# Altium PCB LTEWatch.PcbDoc (part 2 of 3)
Units mm, origin at the board's own origin, x right, y up, seen from the top; angles counter-clockwise.
Board outline 155 x 70 mm, 4 copper layers (Top Layer, Ground, Power, Bottom Layer), stack 1.854 mm thick; 335 components, 196 nets, 1001 pads, 1178 vias.
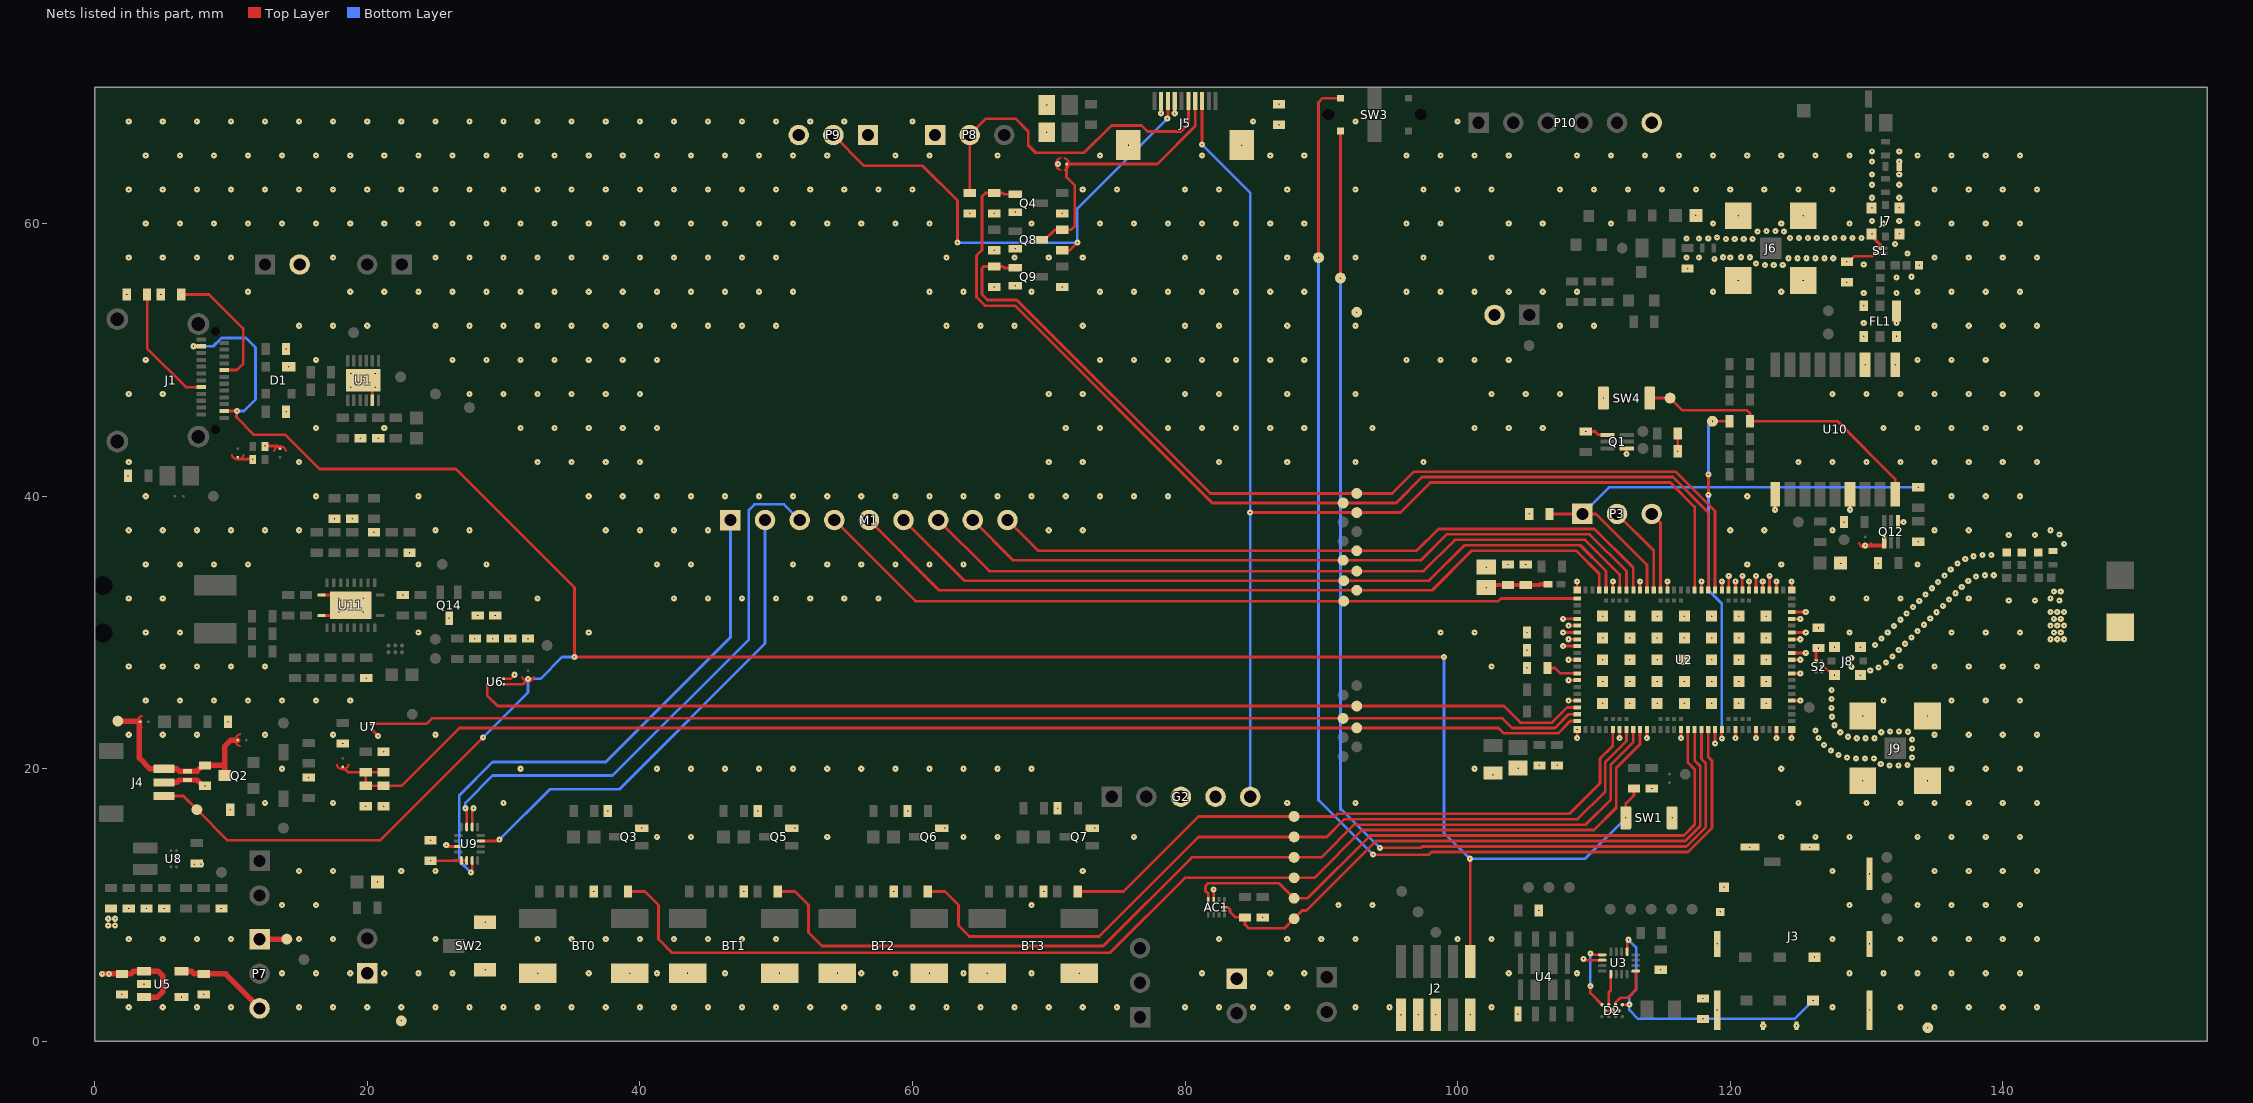
[diagram p4: the nets of this part, all layers, seen from the top]

## Part data
A1: library part Ant_nRF_9160DK, "ANTENNA PRESTTA OCTABAND LTE", Manufacturer_Name=Ethertronics, Part number IPS=00000009001, Supplier Part Number 1=939-1057-1-ND, Artikkelnr Noca=N.A., Component Class=Antennas, ComponentLink1Description=Datasheet, ComponentLink1URL=N.A., ComponentLink2Description="Supplier link", ComponentLink2URL=N.A., Footprint Doc=P822601, HelpURL=http://www.ethertronics.com/wp-content/uploads/2016/11/Prestta-P822601-P822602-Standard-Cellular-Octa-Band-20160904.pdf, LatestRevisionDate=2017-07-28, Manufacturer_Part_Number=P822601, Note=N.A., Pad Count=2, Part Number=P822601, PartId=100700043, Published=2017-07-28, Supplier 1=Digi-Key, Unit Price=3.41
AC1: library part IC_ACCEL, "Accéléromètres X, Y, Z Axis ±2g, 4g, 8g, 12g, 16g 10-LGA (1,6x1,6)", Manufacturer_Name="Memsic Inc.", Supplier Part Number 1=498-MC3635, Datasheet Link=http://www.mcubemems.com/wp-content/uploads/2017/09/MC3635-Datasheet-APS-048-0044v1.5.pdf, Height=0.94mm, Manufacturer_Part_Number=MC3635, Supplier 1=Mouser, Unit Price=2.52
BT0 BT1 BT2 BT3 SW1 SW4: library part SW_SMD_PB, "Tactile Switch, SPNO, SMD, 160gf, 6.2x6.3x2.5mm", Manufacturer_Name="Alps Alpine", Supplier Part Number 1=688-SKHUALE010, Component Class=Switches, ComponentLink1Description=Datasheet, ComponentLink1URL=N.A., ComponentLink2Description="Supplier link", ComponentLink2URL=N.A., Manufacturer_Part_Number=SKHUALE010, Pad Count=4, PartId=101500001, Supplier 1=Mouser, Unit Price=0.76
  BT0 BT1 BT2 BT3: Supplier Part Number 2=688-SKHUALE010
  SW1 SW4: Supplier 2=Farnell, Supplier Part Number 2=1333652
C1 C5 C7 C8 C12 C14 C16 C19 C25 C28 C37 C38 C39 C40 C44 C51 C57: library part C_100n, "0.1 µF ±10% 25V Condensateurs céramique X7R 0603 (1608 métrique)", Manufacturer_Name="Samsung Electro-Mechanics", Manufacturer_Part_Number=CL10B104KA8NNNC, Supplier Part Number 1=1276-1006-1-ND, Supplier 1=Digi-Key, Unit Price=0.10
C2 C3: library part C_47p, "47 pF ±5% 25V Ceramic Capacitor C0G, NP0 0603 (1608 Metric)", Manufacturer_Name=KEMET, Manufacturer_Part_Number=C0603C470J3GAC7867, Supplier Part Number 1=399-C0603C470J3GAC7867CT-ND, Supplier 1=Digi-Key, Unit Price=0.130
C4 C13: library part C_15p, "15 pF ±5% 25V Ceramic Capacitor C0G, NP0 0603 (1608 Metric)", Manufacturer_Name="KYOCERA AVX", Manufacturer_Part_Number=06033A150JAT2A, Supplier Part Number 1=478-10804-1-ND, Supplier 1=Digi-Key
C6 C15: library part C_47u, "47 µF ±20% 10V Ceramic Capacitor X5R 0805 (2012 Metric)", Manufacturer_Name="Murata Electronics", Manufacturer_Part_Number=GRM21BR61A476ME15L, Supplier Part Number 1=490-9961-1-ND, Supplier 1=Digi-Key, Unit Price=0.66
C9 C17 C29 C36 C46 C59 C67: library part C_10n, "10000 pF ±5% 25V Condensateurs céramique C0G, NP0 0603 (1608 métrique)", Manufacturer_Name="TDK Corporation", Manufacturer_Part_Number=C1608C0G1E103J080AA, Supplier Part Number 1=445-2664-1-ND, Supplier 1=Digi-Key, Unit Price=0.270
C10 C11 C24 C66: library part C_4.7u, "4.7 µF ±10% 25V Condensateurs céramique X6S 0603 (1608 métrique)", Manufacturer_Name="Murata Electronics", Manufacturer_Part_Number=GRM188C81E475KE11D, Supplier Part Number 1=490-7199-1-ND, Supplier 1=Digi-Key, Unit Price=0.24
C18 C21 C22 C26 C27 C35 C41 C42 C45: library part C_1u, "1 µF ±10% 25V Ceramic Capacitor X7R 0603 (1608 Metric)", Manufacturer_Name="Samsung Electro-Mechanics", Manufacturer_Part_Number=CL10B105KA8NNNC, Supplier Part Number 1=187-CL10B105KA8NNNC, Price Unit=0.10, Supplier 1=Mouser
C20: library part C_NC, "NC"
C23 C31 C32 C33 C34 C56 C65: library part C_10u, "10 µF ±10% 25V Ceramic Capacitor X5R 0805 (2012 Metric)", Manufacturer_Name="Murata Electronics", Manufacturer_Part_Number=GRM188R61E106KA73J, Supplier Part Number 1=81-GRM188R61E106KA3J, Supplier 1=Mouser, Unit Price=0.280
C30: library part C_10p, "10 pF ±5% 50V Ceramic Capacitor C0G, NP0 0603 (1608 Metric)", Manufacturer_Name="KYOCERA AVX", Manufacturer_Part_Number=06035A100JAT2A, Supplier Part Number 1=478-1163-1-ND, Supplier 1=Digi-Key, Unit Price=0.10
C43: library part C_560p, "560 pF ±5% 25V Ceramic Capacitor C0G, NP0 0603 (1608 Metric)", Manufacturer_Name=YAGEO, Manufacturer_Part_Number=CC0603JRNPO8BN561, Supplier Part Number 1=311-3957-1-ND, Supplier 1=Digi-Key, Unit Price=0.110
C47: library part C_100n_0402, "0.1 µF ±10% 25V Ceramic Capacitor X7R 0402 (1005 Metric)", Manufacturer_Name="Samsung Electro-Mechanics", Manufacturer_Part_Number=CL05B104KA5NNNC, Supplier Part Number 1=1276-6720-1-ND, Supplier 1=Digi-Key, Unit Price=0.10
C48: library part C_47p_0402, "47 pF ±5% 25V Ceramic Capacitor C0G, NP0 0402 (1005 Metric)", Manufacturer_Name=KEMET, Manufacturer_Part_Number=0402N470J250CT, Supplier Part Number 1=1292-1324-1-ND, Supplier 1=Digi-Key, Unit Price=0.130
C49 C52 C53 C54: library part C_NC_0402, "NC"
C50: library part C_0402_3.5p, "3.5 pF ±0,1pF 50V Condensateurs céramique C0G, NP0 0402 (1005 métrique)", Manufacturer_Name="Murata Electronics", Manufacturer_Part_Number=GJM1555C1H3R5BB01D, Supplier Part Number 1=81-GJM1555C1H3R5BB1D, Supplier 1=Mouser, Unit Price=0.180
C55 C69: library part C_470n, "0.47 µF ±10% 25V Ceramic Capacitor X7R 0603 (1608 Metric)", Manufacturer_Name="Murata Electronics", Manufacturer_Part_Number=GRM188R71E474KA12D, Supplier Part Number 1=490-3291-1-ND, Supplier 1=Digi-Key, Unit Price=0.17
C58 C68: library part C_22n, "0.022 µF ±10% 25V Ceramic Capacitor X7R 0603 (1608 Metric)", Manufacturer_Name=KEMET, Manufacturer_Part_Number=C0603C223K3RAC7867, Supplier Part Number 1=399-C0603C223K3RAC7867CT-ND, Supplier 1=Digi-Key, Unit Price=0.100
C60: library part C_39n, "0.039 µF ±10% 50V Ceramic Capacitor X7R 0603 (1608 Metric)", Manufacturer_Name="Walsin Technology Corporation", Manufacturer_Part_Number=0603B393K500CT, Supplier Part Number 1=1292-1436-1-ND, Supplier 1=Digi-Key, Unit Price=0.10
C61: library part C_47n, "0.047 µF ±10% 25V Ceramic Capacitor X7R 0603 (1608 Metric)", Manufacturer_Name="KYOCERA AVX", Manufacturer_Part_Number=06033C473KAT2A, Supplier Part Number 1=478-1235-6-ND, Supplier 1=Digi-Key, Unit Price=0.10
C62: library part C_68n, "0.068 µF ±10% 25V Ceramic Capacitor X7R 0603 (1608 Metric)", Manufacturer_Name="Walsin Technology Corporation", Manufacturer_Part_Number=0603B683K250CT, Supplier Part Number 1=1292-1462-1-ND, Supplier 1=Digi-Key, Unit Price=0.10
C63: library part C_2.2n, "2200 pF ±5% 25V Ceramic Capacitor X7R 0603 (1608 Metric)", Manufacturer_Name="KYOCERA AVX", Manufacturer_Part_Number=06033C222JAT2A, Supplier Part Number 1=478-12683-1-ND, Supplier 1=Digi-Key, Unit Price=0.10
C64: library part C_100p, "100 pF ±5% 25V Ceramic Capacitor C0G, NP0 0603 (1608 Metric)", Manufacturer_Name="KYOCERA AVX", Manufacturer_Part_Number=06033A101JAT2A, Supplier Part Number 1=478-06033A101JAT2ACT-ND, Supplier 1=Digi-Key, Unit Price=0.10
D1: library part D_TVS_USB, "Clamp Ipp Tvs Diode Surface Mount SOT-143B", Manufacturer_Name=Nexperia, Manufacturer_Part_Number=PRTR5V0U2X, Supplier Part Number 1=1727-3884-1-ND, Datasheet Link=https://assets.nexperia.com/documents/data-sheet/PRTR5V0U2X.pdf, Height=1.1mm, Supplier 1=Digi-Key, Unit Price=0.52
D2: "EMI Network Filter Arrays SIM CARD EMI FILTER WITH ESD PROTECTION", Manufacturer="ON Semiconductor", Manufacturer Part Number=CM1402-03CP, Part number IPS=00000009949, Supplier Part Number 1=CM1402-03CPOSTR-ND, Artikkelnr Noca=N.A., Component Class=Semiconductors, ComponentLink1Description=Datasheet, ComponentLink1URL=N.A., ComponentLink2Description="Supplier link", ComponentLink2URL=N.A., Footprint Doc=CM1402, HelpURL=http://www.onsemi.com/pub_link/Collateral/CM1402-D.PDF, LatestRevisionDate=2017-02-06, Note=N.A., Pad Count=10, Part Number=CM1402, PartId=101300139, Published=2017-02-06, Supplier 1=Digi-Key, Supplier 2=Mouser, Supplier Part Number 2=748-CM1402-03CP
D3: library part D_TVS, "9.2V Clamp 5A (8/20µs) Ipp Tvs Diode Surface Mount SOD-882", Manufacturer_Name=LITTELFUSE, Manufacturer_Part_Number=SP1007-01ETG, Supplier Part Number 1=F6187CT-ND, Datasheet Link=https://www.littelfuse.com/~/media/electronics/datasheets/tvs_diode_arrays/littelfuse_tvs_diode_array_sp1007_datasheet.pdf.pdf, Height=0.6mm, Supplier 1=Digi-Key, Unit Price=0.40
E1: library part ANT_GNSS, "Dual port antenna booster for GNSS, Bluetooth, 5G and UWB (1561 - 1606MHz, 2400 - 2500MHz, 3400 - 3800MHz, 3100 - 4800MHz and 6000 - 10600 MHz).", Manufacturer_Name=Ignion, Package=None, Supplier Part Number 1=2115-NN03-320CT-ND, Availability="In Stock", Check_prices=https://www.snapeda.com/parts/NN03-320/Fractus%20Antennas%20S.L./view-part/4257250/?ref=eda, Manufacturer_Part_Number=NN03-320, MP=NN03-320, Purchase-URL=https://pricing.snapeda.com/search/part/NN03-320/?ref=eda, SnapEDA_Link=https://www.snapeda.com/parts/NN03-320/Fractus%20Antennas%20S.L./view-part/4257250/?ref=snap, Supplier 1=Digi-Key, Unit Price=0.91
FB1 FB3 FB4: library part L_FerritBead_MCU, "Ferrite Bead, 120 Ohm @ 100MHz, 700mA, 130 mOhm Max", Manufacturer Part Number=BLM15AX121SN1, Manufacturer_Name=Murata, Supplier Part Number 1=490-5439-1-ND, ComponentLink1Description=Datasheet, ComponentLink1URL=https://www.murata.com/en-us/products/productdata/8796740059166/ENFA0018.pdf, ComponentLink2Description="Supplier link", ComponentLink2URL=N.A., Footprint Doc=0402, HelpURL=https://www.murata.com/products/productdetail?partno=BLM15AX121SN1%23, Supplier 1=Digi-Key, Unit Price=0.10
FB2 FB5 FB6: library part L_FerritBead, "600 Ohms @ 100 MHz 1 Power, Signal Line Ferrite Bead 0805 (2012 Metric) 500mA 300mOhm", Manufacturer_Name="Laird Performance Materials", Manufacturer_Part_Number=HZ0805E601R-10, Supplier Part Number 1=240-2399-1-ND, Datasheet Link=https://www.laird.com/sites/default/files/hz0805e601r-10-datasheet.pdf, Height=1.1mm, Supplier 1=Digi-Key, Unit Price=0.19
FL1: library part IC_SAW_FILTER, "1.588GHz Frequency GPS RF SAW Filter (Surface Acoustic Wave) 2dB 56MHz Bandwidth 6-SMD, No Lead", Manufacturer_Name="Qualcomm (RF front-end (RFFE) filters)", Manufacturer_Part_Number=B39162B3913U410, Supplier Part Number 1=B39162B3913U410CT-ND, Datasheet Link=https://www.mouser.at/datasheet/2/842/B3913-1092487.pdf, Height=1.225mm, Supplier 1=Digi-Key, Unit Price=1.58
G2: library part Display, "503535 3.8v 580mAh round lipo battery cells / (Order : shorturl.at/tEFMZ)", Manufacturer_Name=Sharp, Manufacturer_Part_Number=LS011B7DH03, ComponentLink1Description=Order, ComponentLink1URL=https://keycapsss.com/keyboard-parts/parts/219/nice-view-1.08-e-paper-display, ComponentLink2Description=Info, ComponentLink2URL=https://nicekeyboards.com/docs/nice-view/getting-started/, Supplier Part Number 1=https://keycapsss.com/keyboard-parts/parts/219/nice-view-1.08-e-paper-display, Unit Price=21.00
J1: "USB-C (USB TYPE-C) USB 3.2 Gen 2 (USB 3.1 Gen 2, Superspeed + (USB 3.1)) Receptacle Connector 24 Position Surface Mount, Right Angle; Through Hole", Manufacturer="Amphenol Communication Solutions", Manufacturer_Part_Number=12401598E4#2A, Supplier Part Number 1=523-12401598E4#2A, Datasheet Link=https://cdn.amphenol-icc.com/media/wysiwyg/files/drawing/12401598xxx2a.pdf, Height=3.43mm, Supplier 1=Mouser, Unit Price=1.61
J2: library part JTAG, "Connector Header Surface Mount 10 position 0.050\" (1.27mm)", Manufacturer_Name="Samtec Inc.", Supplier Part Number 1=SAM8796-ND, Manufacturer_Part_Number=FTSH-105-01-F-DV-K, Supplier 1=Digi-Key, Unit Price=4.00
J3: "n 8 (6 + 2) Position Card Connector NANO SIM Surface Mount, Right Angle Gold", Manufacturer Part Number=SF72S006VBDR2500, Manufacturer_Name="JAE Electronics", Supplier Part Number 1=670-2967-6-ND, ComponentLink1Description=Datasheet, ComponentLink1URL=N.A., ComponentLink2Description="Supplier link", ComponentLink2URL=N.A., Supplier 1=Digi-Key
J4: library part CON_BAT_3POS, "Connector Header Surface Mount, Right Angle 3 position 0.039\" (1.00mm)", Manufacturer_Name=Harwin, Mouser Part Number=855-M40-4010346R, Supplier Part Number 1=M40-4010346R-ND, Datasheet Link=https://cdn.harwin.com/pdfs/M40-401.pdf, Height=3.25mm, Manufacturer_Part_Number=M40-4010346R, Mouser Price/Stock=https://www.mouser.co.uk/ProductDetail/Harwin/M40-4010346R?qs=ulE8k0yEMYbY8tNiZulTaA%3D%3D, Supplier 1=Digi-Key
J5: library part CONN_LCD_FFC12, "10 Position FFC, FPC Connector Contacts, Top 0.020\" (0.50mm) Surface Mount, Right Angle", Manufacturer_Name=Hirose, Manufacturer_Part_Number=FH12A-10S-0.5SH(55), Supplier Part Number 1=HFK110CT-ND, Datasheet Link=https://componentsearchengine.com/Datasheets/1/FH12A-10S-0.5SH(55).pdf, Height=3.6mm, Supplier 1=Digi-Key, Unit Price=1.34
J6 J9: library part CONN_SMA, "SMA Connector Jack, Female Socket 50Ohm Surface Mount Solder", Manufacturer_Name=Molex, Manufacturer_Part_Number=73251-1352, Supplier Part Number 1=WM9357-ND, Datasheet Link=http://www.molex.com/webdocs/datasheets/pdf/en-us//0732511352_RF_COAX_CONNECTORS.pdf, Supplier 1=Digi-Key, Unit Price=5.02
J7 J8: "Coaxial Connector with Switch", Manufacturer=Murata, Supplier Part Number 1=490-4981-1-ND, ComponentLink1Description=Datasheet, ComponentLink1URL=N.A., ComponentLink2Description="Supplier link", ComponentLink2URL=N.A., Manufacturer Part Number=MM8130-2600, Supplier 1=Digi-Key, Unit Price=0.34
J10: library part CONN_WPC_IND, "2 Position Wire to Board Terminal Block Horizontal with Board 0.138\" (3.50mm) Surface Mount", Manufacturer_Name="TE Connectivity", Manufacturer_Part_Number=2383942-2, Supplier Part Number 1=17-2383942-2CT-ND, Datasheet Link=https://www.te.com/commerce/DocumentDelivery/DDEController?Action=showdoc&DocId=Customer+Drawing%7F2383942%7FA1%7Fpdf%7FEnglish%7FENG_CD_2383942_A1.pdf%7F2383942-2, Height=8.65mm, Supplier 1=Digi-Key, Unit Price=2.77
L1: library part L_1u, "1 µH Shielded Drum Core, Wirewound Inductor 2.9 A 48mOhm Max 0806 (2016 Metric)", Manufacturer_Name="Murata Electronics", Manufacturer_Part_Number=DFE201612E-1R0M=P2, Supplier Part Number 1=490-16593-1-ND, Copyright="Copyright (C) 2022 Ultra Librarian. All rights reserved.", Supplier 1=Digi-Key, Unit Price=0.35
L2: library part L_27n, "27 nH Unshielded Multilayer Inductor 350 mA 460mOhm Max 0402 (1005 Metric)", Manufacturer_Name="Murata Electronics", Manufacturer_Part_Number=LQG15HS27NJ02D, Supplier Part Number 1=490-2628-1-ND, Datasheet Link=https://psearch.en.murata.com/inductor/product/LQG15HS27NJ02%23.html, Height=0.55mm, Supplier 1=Digi-Key, Unit Price=0.10
L3: library part L_0402_NC
L4: library part L_9.7n, "9.7 nH Non blindé Bobiné Inducteur 1.4 A 81mOhms maxi 0402 (1005 métrique)", Manufacturer_Name="Murata Electronics", Manufacturer_Part_Number=LQW15AN9N7G80D, Supplier Part Number 1=81-LQW15AN9N7G80D, Datasheet Link=https://datasheet.datasheetarchive.com/originals/distributors/Datasheets_SAMA/fbc87eb480f1703e4073bb137d632104.pdf, Height=0.6mm, Supplier 1=Mouser, Unit Price=0.25
L5: library part L_11n, "11 nH Unshielded Drum Core, Wirewound Inductor 1.4 A 65mOhm 0402 (1005 Metric)", Manufacturer_Name="Delta Electronics/Components", Manufacturer_Part_Number=0402HP-110EGTS, Supplier Part Number 1=2035-1078-1-ND, Datasheet Link=https://psearch.en.murata.com/inductor/product/LQW18AN11NG8Z%23.html, Height=1mm, Supplier 1=Digi-Key, Unit Price=0.24
L6: library part L_13n, "13 nH Unshielded Drum Core, Wirewound Inductor 870 mA 140mOhm 0402 (1005 Metric)", Manufacturer_Name="Delta Electronics/Components", Manufacturer_Part_Number=0402HP-130EGTS, Supplier Part Number 1=2035-1525-1-ND, Datasheet Link=https://psearch.en.murata.com/inductor/product/LQW18AN11NG8Z%23.html, Height=1mm, Supplier 1=Digi-Key, Unit Price=0.24
L7: library part L_0402_1.5n, "1.5 nH Non blindé Couche mince Inducteur 700 mA 250mOhms maxi 0402 (1005 métrique)", Manufacturer_Name="Abracon LLC", Manufacturer_Part_Number=ATFC-0402-1N5B-T, Supplier Part Number 1=535-10356-1-ND, Supplier 1=Digi-Key, Unit Price=0.10
L8: library part L_0402_22n, "22 nH Non blindé Bobiné Inducteur 780 mA 202mOhms maxi 0402 (1005 métrique)", Manufacturer_Name="Murata Electronics", Manufacturer_Part_Number=LQW15AN22NG80D, Supplier Part Number 1=490-7628-1-ND, Supplier 1=Digi-Key, Unit Price=0.25
LED0 LED1 LED2: library part LED_B, "Blue 470nm LED Indication - Discrete 3.2V 0603 (1608 Metric)", Manufacturer_Name="Würth Elektronik", Manufacturer_Part_Number=150060BS75000, Supplier Part Number 1=732-4966-1-ND, Datasheet Link=http://www.qt-brightek.com/datasheet/QBLP617_series.pdf, Height=1.3mm, Supplier 1=Digi-Key, Unit Price=0.17
LED3 LED5 LED6 LED8 LED9: library part LED_G, "Green 570nm LED Indication - Discrete 2V 0603 (1608 Metric)", Manufacturer_Name="QT Brightek (QTB)", Manufacturer_Part_Number=150060VS75000, Supplier Part Number 1=732-4980-1-ND, Datasheet Link=http://www.qt-brightek.com/datasheet/QBLP617_series.pdf, Height=1.3mm, Supplier 1=Digi-Key, Unit Price=0.15
LED4 LED7: library part LED_R, "Red 625nm LED Indication - Discrete 2V 0603 (1608 Metric)", Manufacturer_Name="QT Brightek (QTB)", Manufacturer_Part_Number=150060RS75000, Supplier Part Number 1=732-4978-1-ND, Datasheet Link=http://www.qt-brightek.com/datasheet/QBLP617_series.pdf, Height=1.3mm, Supplier 1=Digi-Key, Unit Price=0.15
P1 P2 P5 P6 P11 P12 P13: library part H_2POS, "Header, 2-Pin", Manufacturer_Name="Amphenol ICC (FCI)", Manufacturer_Part_Number=10129378-902001BLF, Supplier Part Number 1=649-1012937890201BLF, Supplier 1=Mouser, Unit Price=0.10
P3 P4: library part H_1x3, "Header, 3-Pin", Manufacturer_Name="Harwin Inc.", Manufacturer_Part_Number=M20-9990345, Supplier Part Number 1=952-2263-ND, Publisher="Altium Limited", Supplier 1=Digi-key, Unit Price=0.17
P7 P8 P9: library part H_3POS, "Header, 3-Pin", Manufacturer_Name="Harwin Inc.", Manufacturer_Part_Number=M20-9990345, Supplier Part Number 1=952-2263-ND, Supplier 1=Digi-key, Unit Price=0.17
P10: library part H_1x6, "Header, 6-Pin", Manufacturer_Name="Würth Elektronik", Manufacturer_Part_Number=61300611121, Supplier Part Number 1=732-5319-ND, Publisher="Altium Limited", Supplier 1=Digi-Key, Unit Price=0.35
Q1 Q12: library part MOS_NP_3, "Mosfet Array N and P-Channel 20V 485mA, 370mA 250mW Surface Mount SC-89 (SOT-563F)", Manufacturer_Name=Vishay, Manufacturer_Part_Number=SI1016X-T1-GE3, Supplier Part Number 1=SI1016X-T1-GE3CT-ND, Datasheet Link=https://componentsearchengine.com/Datasheets/1/SI1016X-T1-GE3.pdf, Height=0.6mm, Supplier 1=Digi-Key, Unit Price=0.48
Q2 Q10 Q11: library part MOS-P, "P-Channel 12 V 6A (Ta) 1W (Ta) Surface Mount SOT-23F", Manufacturer_Name=Toshiba, Manufacturer_Part_Number=SSM3J338R, Supplier Part Number 1=SSM3J338RLFCT-ND, Value2=6A, Datasheet Link=http://toshiba.semicon-storage.com/info/docget.jsp?did=30384&prodName=SSM3J338R, Supplier 1=Digi-Key, Unit Price=0.38
Q3 Q4 Q5 Q6 Q7 Q8 Q9 Q14: library part MOS-N, "N-Channel 30 V 180mA (Ta) 260mW (Ta), 1.1W (Tc) Surface Mount SOT-323", Manufacturer_Name=NXP, Manufacturer_Part_Number=NX3020NAKW, Supplier Part Number 1=1727-1288-1-ND, Value2=0.18A, Datasheet Link=https://datasheetspdf.com/pdf-file/1379402/nexperia/NX3020NAKW/1, Height=1.1mm, Supplier 1=Digi-Key, Unit Price=0.30
Q13: library part MOS_2PCH, "Mosfet Array 2 P-Channel (Dual) Common Source 20V 1.6A 750mW Surface Mount 6-DSBGA (1x1.5)", Manufacturer_Name="Texas Instruments", Manufacturer_Part_Number=CSD75208W1015, Supplier Part Number 1=296-38339-1-ND, Datasheet Link=http://www.ti.com/lit/ds/symlink/csd75208w1015.pdf, Height=0.625mm, Supplier 1=Digi-Key, Unit Price=0.60
R1 R2 R7 R9 R24 R26 R27 R28 R29 R30 R31 R32 R33 R48 R49 R50 R66: library part R_10k, "10 kOhms ±1% 0.1W, 1/10W Chip Resistor 0603 (1608 Metric) Moisture Resistant Thick Film", Manufacturer_Name=YAGEO, Manufacturer_Part_Number=RC0805FR-0710KL, Supplier Part Number 1=311-10.0KHRCT-ND, Supplier 1=Digi-Key, Unit Price=0..10
R3: library part R_330, "330 Ohms ±1% 0.1W, 1/10W Chip Resistor 0603 (1608 Metric) Automotive AEC-Q200 Thick Film", Manufacturer_Name=YAGEO, Manufacturer_Part_Number=CR0603-FX-3300ELF, Supplier Part Number 1=CR0603-FX-3300ELFCT-ND, Supplier 1=Digi-Key, Unit Price=0.10
R4: library part R_NC
R5 R6: library part R_27, "27 Ohms ±1% 0.1W, 1/10W Chip Resistor 0603 (1608 Metric) Automotive AEC-Q200 Thick Film", Manufacturer_Name=YAGEO, Manufacturer_Part_Number=ERJ-3EKF27R0V, Supplier Part Number 1=P27.0HCT-ND, Supplier 1=Digi-Key, Unit Price=0.10
R8 R15 R22 R35 R44 R45 R68: library part R_100k, "RES SMD 100K OHM 1% 1/8W 0603", Manufacturer_Name=YAGEO, Manufacturer_Part_Number=RC0805FR-07100KL, Supplier Part Number 1=311-100KCRCT-ND, Supplier 1=Digi-Key, Unit Price=0.10
R10 R14: library part R_0, "0 Ohms Jumper 0.1W, 1/10W Chip Resistor 0603 (1608 Metric) Moisture Resistant Thick Film", Manufacturer_Name=YAGEO, Manufacturer_Part_Number=RC0603JR-070RL, Supplier Part Number 1=311-0.0GRCT-ND, Supplier 1=Digi-Key, Unit Price=0.10
R11 R12: library part R_5k1, "5.1 kOhms ±1% 0.1W, 1/10W Chip Resistor 0603 (1608 Metric) Moisture Resistant Thick Film", Manufacturer_Name=YAGEO, Manufacturer_Part_Number=RC0603FR-075K1L, Supplier Part Number 1=311-5.10KHRDKR-ND, Supplier 1=Digi-Key, Unit Price=0.10
R13 R53 R54 R55 R58: library part R_1k, "1 kOhms ±1% 0.1W, 1/10W Chip Resistor 0603 (1608 Metric) Moisture Resistant Thick Film", Manufacturer_Name=YAGEO, Manufacturer_Part_Number=RC0603FR-071KL, Supplier Part Number 1=311-1.00KHRCT-ND, Supplier 1=Digi-Key, Unit Price=0.10
R16 R17 R37 R39 R40 R42 R43 R46 R47 R56 R69: library part R_1M, "1 MOhms ±1% 0.1W, 1/10W Chip Resistor 0603 (1608 Metric) Automotive AEC-Q200 Thick Film", Manufacturer_Name=YAGEO, Manufacturer_Part_Number=ERJ-3EKF1004V, Supplier Part Number 1=P1.00MHCT-ND, Supplier 1=Digi-Key, Unit Price=0.10
R18: library part R_4M, "4.02 MOhms ±1% 0,1W, 1/10W Pavé résistif 0603 (1608 métrique) Résistant à l’humidité Couche épaisse", Manufacturer_Name=YAGEO, Manufacturer_Part_Number=RC0603FR-074M02L, Supplier Part Number 1=YAG5698CT-ND, Supplier 1=Digi-Key, Unit Price=0.10
R19 R65 R73 R74: library part R_8.66M, "8.66 MOhms ±1% 0,1W, 1/10W Pavé résistif 0603 (1608 métrique) AutomobileAEC-Q200 Couche épaisse", Manufacturer_Name=YAGEO, Manufacturer_Part_Number=CRCW06038M66FKEA, Supplier Part Number 1=541-8.66MHCT-ND, Supplier 1=Digi-Key, Unit Price=0.10
R20: library part R_NTC_10k, "NTC Thermistor 10k 0603 (1608 Metric)", Manufacturer_Name=Panasonic, Manufacturer_Part_Number=ERT-J1VR103J, Supplier Part Number 1=P10547CT-ND, Supplier 1=Digi-Key, Unit Price=0.18
R21: library part R_560k, "560 kOhms ±1% 0.1W, 1/10W Chip Resistor 0603 (1608 Metric) Automotive AEC-Q200, Moisture Resistant Thick Film", Manufacturer_Name=YAGEO, Manufacturer_Part_Number=AC0603FR-07560KL, Supplier Part Number 1=311-560KLDCT-ND, Supplier 1=Digi-Key, Unit Price=0.10
R23 R25 R51 R64 R72: library part R_120, "1 MOhms ±1% 0.1W, 1/10W Chip Resistor 0603 (1608 Metric) Automotive AEC-Q200 Thick Film", Manufacturer_Name=YAGEO, Manufacturer_Part_Number=CRGCQ0603F120R, Supplier Part Number 1=A129677CT-ND, Supplier 1=Digi-Key, Unit Price=0.10
R34 R36 R38: library part R_15, "15 Ohms ±1% 0.1W, 1/10W Chip Resistor 0603 (1608 Metric) Moisture Resistant Thick Film", Manufacturer_Name=YAGEO, Manufacturer_Part_Number=RC0603FR-0715RL, Supplier Part Number 1=311-15.0HRTR-ND, Supplier 1=Digi-Key, Unit Price=0.10
R41: library part R_220, "220 Ohms ±1% 0.1W, 1/10W Chip Resistor 0603 (1608 Metric) Moisture Resistant Thick Film", Manufacturer_Name=YAGEO, Manufacturer_Part_Number=CR0603-FX-3300ELF, Supplier Part Number 1=311-220HRTR-ND, Supplier 1=Digi-Key, Unit Price=0.10
R52: library part R_10, "10 Ohms ±5% 0.25W, 1/4W Chip Resistor 0805 (2012 Metric) Automotive AEC-Q200 Thick Film", Manufacturer_Name=YAGEO, Manufacturer_Part_Number=RK73B2ATTD100J, Supplier Part Number 1=2019-RK73B2ATTD100JCT-ND, Supplier 1=Digi-Key, Unit Price=0.10
R57 R59 R60 R61 R62 R63: library part R_33, "33 Ohms ±1% 0.1W, 1/10W Chip Resistor 0603 (1608 Metric) Thin Film", Manufacturer_Name=YAGEO, Manufacturer_Part_Number=RT0603FRE0733RL, Supplier Part Number 1=13-RT0603FRE0733RLCT-ND, Supplier 1=Digi-Key, Unit Price=0.10
R67: library part R_20k, "20 kOhms ±1% 0.1W, 1/10W Chip Resistor 0603 (1608 Metric) Moisture Resistant Thick Film", Manufacturer_Name=YAGEO, Manufacturer_Part_Number=RC0805FR-0710KL, Supplier Part Number 1=311-20.0KHRCT-ND, Supplier 1=Digi-Key, Unit Price=0.10
R70: library part R_66, "66.5 Ohms ±1% 0.1W, 1/10W Chip Resistor 0603 (1608 Metric) Moisture Resistant Thick Film", Manufacturer_Name=YAGEO, Manufacturer_Part_Number=RC0603FR-0766R5L, Supplier Part Number 1=311-66.5HRCT-ND, Supplier 1=Digi-Key, Unit Price=0.10
R71: library part R_196, "196 Ohms ±1% 0.1W, 1/10W Chip Resistor 0603 (1608 Metric) Moisture Resistant Thick Film", Manufacturer_Name=YAGEO, Manufacturer_Part_Number=RC0603FR-07196RL, Supplier Part Number 1=311-196HRDKR-ND, Supplier 1=Digi-Key, Unit Price=0.10
S1 S2: library part SW_RF_SWITCH, "RF Switch IC WLAN SPDT 50Ohm PG-TSNP-6-10", Manufacturer_Name="Infineon Technologies", Supplier Part Number 1=BGS12PL6E6327XTSA1CT-ND, Manufacturer_Part_Number=BGS12PL6E6327XTSA1, Supplier 1=Digi-Key, Unit Price=0.50
SB1 SB2 SB3 SB4 SB5 SB6 SB7 SB8 SB9 SB11: Manufacturer=N.A., Artikkelnr Noca=N.A., Component Class=Connectors, ComponentLink1Description=Datasheet, ComponentLink1URL=N.A., ComponentLink2Description="Supplier link", ComponentLink2URL=N.A., Footprint Doc=Solderbridge, HelpURL=N.A., LatestRevisionDate=2009-12-14, Manufacturer Part Number=N.A., Note=N.A., Pad Count=2, Part Number=Solderbridge, Part number IPS=N.A., PartId=100500458, Published=2009-12-14, Supplier 1=N.A., Supplier 2=N.A., Supplier Part Number 1=N.A., Supplier Part Number 2=N.A.
SW2: library part SW_2POS, "SMD slide Switch (ON-ON)", Manufacturer_Name="Nidec Copal Electronics", Manufacturer_Part_Number=CJS-1200TA, Supplier Part Number 1=229-CJS-1200TA, ComponentLink1Description=Datasheet, ComponentLink1URL=N.A., ComponentLink2Description="Supplier link", ComponentLink2URL=N.A., Supplier 1=Mouser, Unit Price=0.73
SW3: library part Switch-Slide-RA-J-Lead-DPDT-8.5x3.5mm_C&K, "SMD slide Switch (ON-ON)", Manufacturer Part Number=JS202011JAQN, Manufacturer_Name=C&K, Supplier Part Number 1=CKN10722CT-ND, Component Class=Switches, ComponentLink1Description=Datasheet, ComponentLink1URL=N.A., ComponentLink2Description="Supplier link", ComponentLink2URL=N.A., Supplier 1=Digi-Key, Unit Price=0.66
TP1 TP2 TP3 TP4 TP5 TP6 TP7 TP8 TP9 TP11 TP12 TP13 TP14 TP15 TP16 TP17 TP18 TP19 TP20 TP21 TP22 TP23 TP24 TP25 TP26 TP27 TP28 TP29 TP30 TP31 TP32 TP33 TP34 TP35 TP36 TP37 TP38 TP39 TP40 TP41 TP42 TP43 TP44 TP45 TP46 TP47 TP48 TP49 TP50 TP51 TP52 TP53 TP54 TP55 TP57 TP58 TP59 TP60 TP61 TP62 TP63 TP64 TP65 TP66 TP67 TP68 TP69 TP72 TP73 TP74 TP75 TP76 TP77 TP79: library part TP_SMD, "0.8 mm circular SMD testpad", Manufacturer="Nordic Semiconductor", Manufacturer Part Number=N.A., Part Number=TP_SMD_Ø1.0MM, Artikkelnr Noca=N.A., Component Class=Connectors, ComponentLink1Description=Datasheet, ComponentLink1URL=N.A., ComponentLink2Description="Supplier link", ComponentLink2URL=N.A., Footprint Doc=TP_SMD_Ø1.0mm, HelpURL=N.A., LatestRevisionDate=2013-06-11, Note=N.A., Pad Count=1, Part number IPS=N.A., PartId=100500475, Published=2013-06-11, Supplier 1=N.A., Supplier 2=N.A., Supplier Part Number 1=N.A., Supplier Part Number 2=N.A.
TP10: library part TP_SMD, "1.0mm circular SMD testpad", Manufacturer="Nordic Semiconductor", Manufacturer Part Number=N.A., Part Number=TP_SMD_Ø1.0MM, Artikkelnr Noca=N.A., Component Class=Connectors, ComponentLink1Description=Datasheet, ComponentLink1URL=N.A., ComponentLink2Description="Supplier link", ComponentLink2URL=N.A., Footprint Doc=TP_SMD_Ø1.0mm, HelpURL=N.A., LatestRevisionDate=2013-06-11, Note=N.A., Pad Count=1, Part number IPS=N.A., PartId=100500475, Published=2013-06-11, Supplier 1=N.A., Supplier 2=N.A., Supplier Part Number 1=N.A., Supplier Part Number 2=N.A.
U1: "USB Bridge, USB to UART USB 2.0 UART Interface 12-DFN (3x3)", Manufacturer_Name="FTDI Chip", Manufacturer_Part_Number=FT234XD-R, Supplier Part Number 1=768-1178-1-ND, Datasheet Link=https://componentsearchengine.com/Datasheets/2/FT234XD-R.pdf, Height=0.75mm, Supplier 1=Digi-Key, Unit Price=2.24
U2: library part MCU_nRF9160-SICAB1A, "Low power System-in-Package with integrated LTE-M/NB-IoT modem and GPS", Manufacturer_Name="Nordic Semiconductor", Supplier Part Number 1=1490-NRF9160-SICA-B1A-R7CT-ND, ComponentLink1Description=Datasheet, ComponentLink1URL=N.A., ComponentLink2Description="Supplier link", ComponentLink2URL=N.A., Manufacturer Part Number=nRF9160-SICAB1A, Supplier 1=Digi-Key, Unit Price=31.40
U3 U9: library part NX3DV2567GU, "Low-ohmic four-pole double-throw analog switch", Manufacturer_Name="NXP Semiconductors", Supplier Part Number 1=771-NX3DV2567GU115, ComponentLink1Description=Datasheet, ComponentLink1URL=N.A., ComponentLink2Description="Supplier link", ComponentLink2URL=N.A., Manufacturer Part Number=NX3DV2567GU, Supplier 1=Mouser, Unit Price=0.92
U4: library part M2M_UICC, "M2M UICC SIM Card", Manufacturer=N.A., Artikkelnr Noca=N.A., Assembly="Not mounted", Component Class=Misc_ICs, ComponentLink1Description=Datasheet, ComponentLink1URL=N.A., ComponentLink2Description="Supplier link", ComponentLink2URL=N.A., Footprint Doc=SON-8, HelpURL=N.A., LatestRevisionDate=2019-10-22, Manufacturer Part Number=N.A., Note=N.A., Pad Count=8, Part Number=M2M_UICC, Part number IPS=N.A., PartId=101900595, Published=2019-10-22, Supplier 1=N.A., Supplier 2=N.A., Supplier Part Number 1=N.A., Supplier Part Number 2=N.A.
U5: library part IC_TPS7A0318PDBVR, "Linear Voltage Regulator IC Positive Fixed 1 Output 200mA SOT-23-5", Manufacturer_Name="Texas Instruments", Manufacturer_Part_Number=TPS7A0312PDBVR, Supplier Part Number 1=296-TPS7A0318PDBVRCT-ND, Copyright="Copyright (C) 2022 Ultra Librarian. All rights reserved.", Supplier 1=Digi-Key, Type=DEV, Unit Price=0.93
U6: library part IC_BQ25180YBGT, "Charger IC Lithium Ion/Polymer, Lithium Iron Phosphate 8-DSBGA", Manufacturer_Name="Texas Instruments", Manufacturer_Part_Number=BQ25180YBGR, Supplier Part Number 1=595-BQ25180YBGR, Copyright="Copyright (C) 2022 Ultra Librarian. All rights reserved.", Supplier 1=Mouser, Type=DEV, Unit Price=2.75
U7: library part SW_LOAD_SW, "Power Switch/Driver 1:1 P-Channel 2A 4-DSBGA", Manufacturer_Name="Texas Instruments", Supplier Part Number 1=595-TPS22916CNYFPT, Copyright="Copyright (C) 2022 Ultra Librarian. All rights reserved.", Manufacturer_Part_Number=TPS22916CNYFPT, RefDes=RefDes, Supplier 1=Mouser, Type=DEV, Unit Price=1.22
U8: library part IC_TPS63036YFGT, "Buck-Boost Switching Regulator IC Positive Adjustable 1.2V 1 Output 1A (Switch) 8-UFBGA, DSBGA", Mfr_Name="Texas Instruments", Supplier Part Number 1=595-TPS63036YFGT, Copyright="Copyright (C) 2022 Ultra Librarian. All rights reserved.", Manufacturer_Part_Number=TPS63036YFGT, Supplier 1=Mouser, Unit Price=2.69
U10: library part IC_MAX-M10S, "MAX-M10 RF Receiver BeiDou, Galileo, GLONASS, GPS, GNSS 1.561GHz, 1.575GHz, 1.602GHz -167dBm 921.6kbps", Manufacturer_Name=U-Blox, Supplier Part Number 1=377-MAX-M10S-00B, Datasheet Link=https://content.u-blox.com/sites/default/files/MAX-M10S_IntegrationManual_UBX-20053088.pdf, Height=2.7mm, Manufacturer_Part_Number=MAX-M10S-00B, Supplier 1=Mouser, Unit Price=20.79
U11: library part IC_WPC_VQFN, "Wireless Power Receiver PMIC 20-VQFN (3.5x4.5)", Manufacturer_Name="Texas Instruments", Manufacturer_Part_Number=BQ51013BRHLR, Supplier Part Number 1=595-BQ51013BRHLR, Datasheet Link=http://www.ti.com/lit/ds/symlink/bq51013b.pdf, Supplier 1=Mouser, Unit Price=3.9